# Altium PCB OctopusPB_r0102.PcbDoc (part 5 of 10)
Units mm, origin at the board's own origin, x right, y up, seen from the top; angles counter-clockwise.
Board outline 318 x 80 mm, 4 copper layers (Top Layer, Layer 1, Layer 2, Bottom Layer), stack 1.62 mm thick; 806 components, 346 nets, 2957 pads, 6733 vias.
Unrouted connection lines stored in the file: 1143.
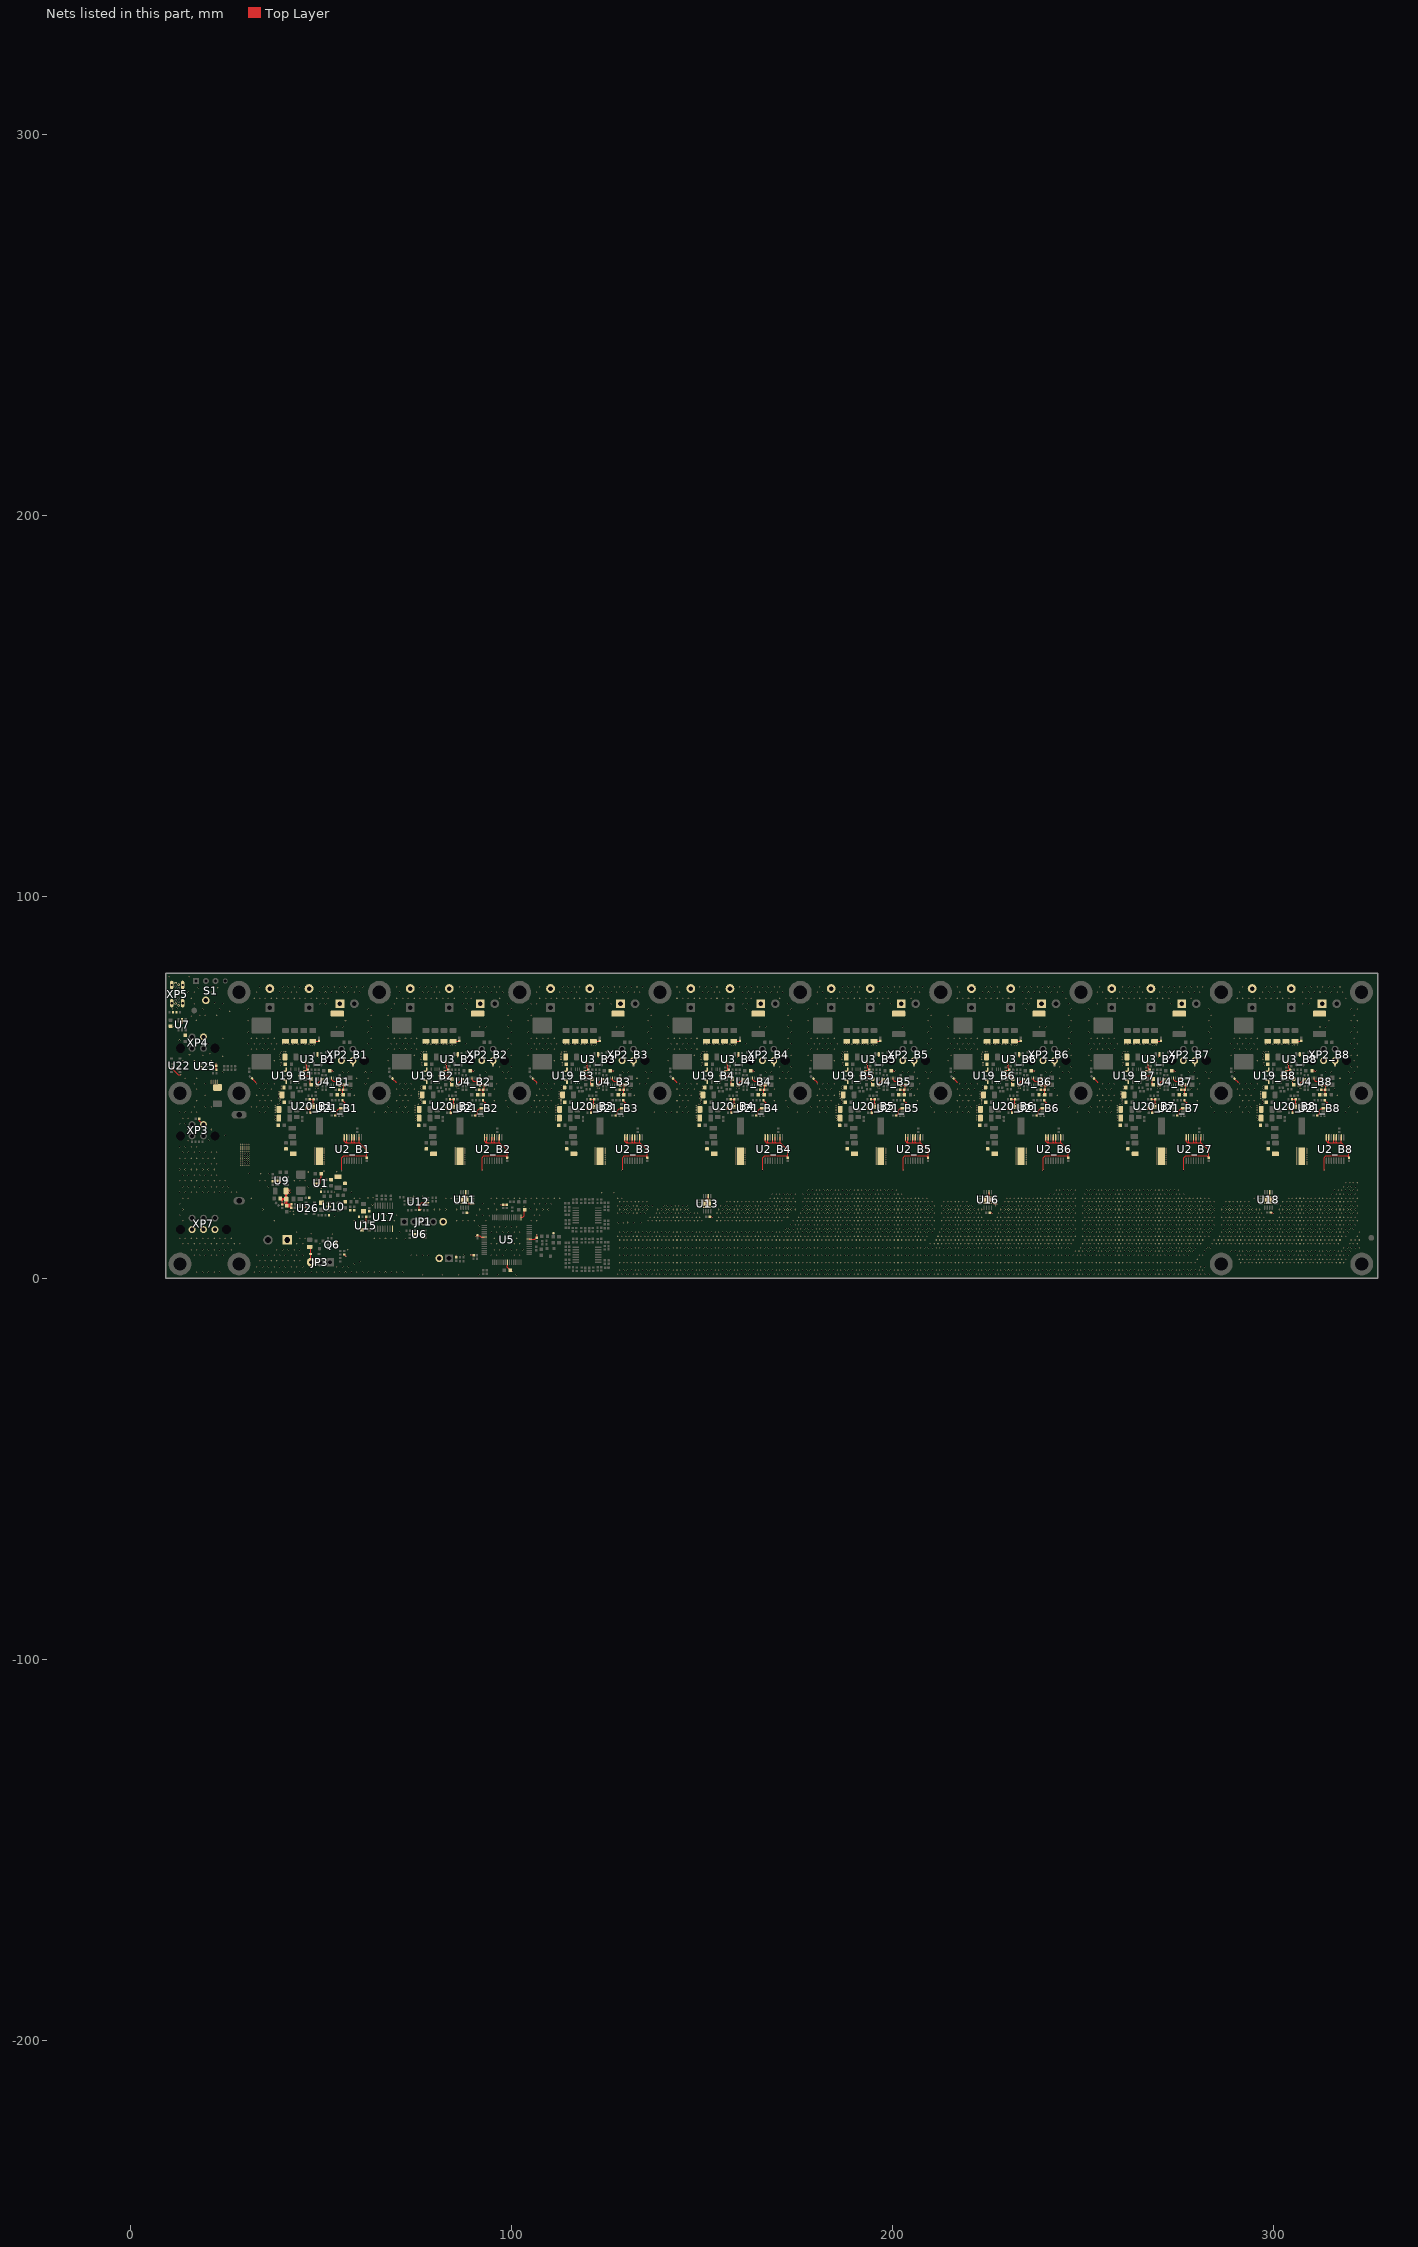
[diagram p7: the nets of this part, all layers, seen from the top]

## Via types
v1: diameter 0.4, hole 0.2, Top Layer to Bottom Layer, tented both sides, 6713 vias
v2: diameter 0.5, hole 0.2, Top Layer to Bottom Layer, tented both sides, 20 vias

## Nets (pads, with @x,y where several pads share a name; then routed paths per layer and width w, separated by ;. In a path a pad name is that pad's centre, name@x,y a point inside that pad or via, vN(x,y) a via of type N, cw(c..) or ccw(c..) an arc to the next point about the centre after c; other vN are vias at no path point) (continued)
DGND: C4.2 C4_B1.2 C4_B2.2 C4_B3.2 C4_B4.2 C4_B5.2 C4_B6.2 C4_B7.2 C4_B8.2 C5.2 C5_B1.2 C5_B2.2 C5_B3.2 C5_B4.2 C5_B5.2 C5_B6.2 C5_B7.2 C5_B8.2 C6.2 C6_B1.2 C6_B2.2 C6_B3.2 C6_B4.2 C6_B5.2 C6_B6.2 C6_B7.2 C6_B8.2 C7_B1.2 C7_B2.2 C7_B3.2 C7_B4.2 C7_B5.2 C7_B6.2 C7_B7.2 C7_B8.2 C8_B1.2 C8_B2.2 C8_B3.2 C8_B4.2 C8_B5.2 C8_B6.2 C8_B7.2 C8_B8.2 C9_B1.2 C9_B2.2 C9_B3.2 C9_B4.2 C9_B5.2 C9_B6.2 C9_B7.2 C9_B8.2 C10_B1.2 C10_B2.2 C10_B3.2 C10_B4.2 C10_B5.2 C10_B6.2 C10_B7.2 C10_B8.2 C11_B1.2 C11_B2.2 C11_B3.2 C11_B4.2 C11_B5.2 C11_B6.2 C11_B7.2 C11_B8.2 C12_B1.2 C12_B2.2 C12_B3.2 C12_B4.2 C12_B5.2 C12_B6.2 C12_B7.2 C12_B8.2 C13_B1.2 C13_B2.2 C13_B3.2 C13_B4.2 C13_B5.2 C13_B6.2 C13_B7.2 C13_B8.2 C14_B1.2 C14_B2.2 C14_B3.2 C14_B4.2 C14_B5.2 C14_B6.2 C14_B7.2 C14_B8.2 C15_B1.2 C15_B2.2 C15_B3.2 C15_B4.2 C15_B5.2 C15_B6.2 C15_B7.2 C15_B8.2 C16_B1.2 C16_B2.2 C16_B3.2 C16_B4.2 C16_B5.2 C16_B6.2 C16_B7.2 C16_B8.2 C17_B1.2 C17_B2.2 C17_B3.2 C17_B4.2 C17_B5.2 C17_B6.2 C17_B7.2 C17_B8.2 C18_B1.2 C18_B2.2 C18_B3.2 C18_B4.2 C18_B5.2 C18_B6.2 C18_B7.2 C18_B8.2 C19_B1.2 C19_B2.2 C19_B3.2 C19_B4.2 C19_B5.2 C19_B6.2 C19_B7.2 C19_B8.2 C20_B1.2 C20_B2.2 C20_B3.2 C20_B4.2 C20_B5.2 C20_B6.2 C20_B7.2 C20_B8.2 C21.2 C22_B1.2 C22_B2.2 C22_B3.2 C22_B4.2 C22_B5.2 C22_B6.2 C22_B7.2 C22_B8.2 C23.2 C26_B1.2 C26_B2.2 C26_B3.2 C26_B4.2 C26_B5.2 C26_B6.2 C26_B7.2 C26_B8.2 C27_B1.2 C27_B2.2 C27_B3.2 C27_B4.2 C27_B5.2 C27_B6.2 C27_B7.2 C27_B8.2 C28_B1.2 C28_B2.2 C28_B3.2 C28_B4.2 C28_B5.2 C28_B6.2 C28_B7.2 C28_B8.2 C29_B1.2 C29_B2.2 C29_B3.2 C29_B4.2 C29_B5.2 C29_B6.2 C29_B7.2 C29_B8.2 C30_B1.2 C30_B2.2 C30_B3.2 C30_B4.2 C30_B5.2 C30_B6.2 C30_B7.2 C30_B8.2 C31_B1.2 C31_B2.2 C31_B3.2 C31_B4.2 C31_B5.2 C31_B6.2 C31_B7.2 C31_B8.2 C32_B1.2 C32_B2.2 C32_B3.2 C32_B4.2 C32_B5.2 C32_B6.2 C32_B7.2 C32_B8.2 C33_B1.2 C33_B2.2 C33_B3.2 C33_B4.2 C33_B5.2 C33_B6.2 C33_B7.2 C33_B8.2 C34_B1.2 C34_B2.2 C34_B3.2 C34_B4.2 C34_B5.2 C34_B6.2 C34_B7.2 C34_B8.2 C35_B1.2 C35_B2.2 C35_B3.2 C35_B4.2 C35_B5.2 C35_B6.2 C35_B7.2 C35_B8.2 C36.2 C37.2 C38.2 C39.2 C40.2 C41.2 C42.2 C49.2 C50.2 C51.2 C52.2 C53.2 C54.2 C55.2 C56.2 C57.2 C59.2 C60.2 C61.2 C62.2 C63.2 C64.2 C65.2 C66.2 C68_B1.2 C68_B2.2 C68_B3.2 C68_B4.2 C68_B5.2 C68_B6.2 C68_B7.2 C68_B8.2 C69_B1.2 C69_B2.2 C69_B3.2 C69_B4.2 C69_B5.2 C69_B6.2 C69_B7.2 C69_B8.2 C72_B1.2 C72_B2.2 C72_B3.2 C72_B4.2 C72_B5.2 C72_B6.2 C72_B7.2 C72_B8.2 C73.2 C74_B1.1 C74_B2.1 C74_B3.1 C74_B4.1 C74_B5.1 C74_B6.1 C74_B7.1 C74_B8.1 C75.2 C76.2 C77_B1.2 C77_B2.2 C77_B3.2 C77_B4.2 C77_B5.2 C77_B6.2 C77_B7.2 C77_B8.2 C83.2 D4.2 D5.2 JP1.5 JP2.2 JP3.3 Q6.2 R2.1 R4_B1.2 R4_B2.2 R4_B3.2 R4_B4.2 R4_B5.2 R4_B6.2 R4_B7.2 R4_B8.2 R9_B1.1 R9_B2.1 R9_B3.1 R9_B4.1 R9_B5.1 R9_B6.1 R9_B7.1 R9_B8.1 R11_B1.1 R11_B2.1 R11_B3.1 R11_B4.1 R11_B5.1 R11_B6.1 R11_B7.1 R11_B8.1 R17.1 R26_B1.2 R26_B2.2 R26_B3.2 R26_B4.2 R26_B5.2 R26_B6.2 R26_B7.2 R26_B8.2 R33.2 R37.1 R39.1 R40.1 R45.1 R54.1 R58_B1.2 R58_B2.2 R58_B3.2 R58_B4.2 R58_B5.2 R58_B6.2 R58_B7.2 R58_B8.2 R64.1 R66_B1.1 R66_B2.1 R66_B3.1 R66_B4.1 R66_B5.1 R66_B6.1 R66_B7.1 R66_B8.1 R67_B1.1 R67_B2.1 R67_B3.1 R67_B4.1 R67_B5.1 R67_B6.1 R67_B7.1 R67_B8.1 R68.1 R69.1 R73.2 R74_B1.2 R74_B2.2 R74_B3.2 R74_B4.2 R74_B5.2 R74_B6.2 R74_B7.2 R74_B8.2 R86.1 S1.C U1.2 U2_B1.2 U2_B1.4 U2_B1.5 U2_B1.7 U2_B1.8 U2_B2.2 U2_B2.4 U2_B2.5 U2_B2.7 U2_B2.8 U2_B3.2 U2_B3.4 U2_B3.5 U2_B3.7 U2_B3.8 U2_B4.2 U2_B4.4 U2_B4.5 U2_B4.7 U2_B4.8 U2_B5.2 U2_B5.4 U2_B5.5 U2_B5.7 U2_B5.8 U2_B6.2 U2_B6.4 U2_B6.5 U2_B6.7 U2_B6.8 U2_B7.2 U2_B7.4 U2_B7.5 U2_B7.7 U2_B7.8 U2_B8.2 U2_B8.4 U2_B8.5 U2_B8.7 U2_B8.8 U3_B1.2 U3_B2.2 U3_B3.2 U3_B4.2 U3_B5.2 U3_B6.2 U3_B7.2 U3_B8.2 U4_B1.3 U4_B2.3 U4_B3.3 U4_B4.3 U4_B5.3 U4_B6.3 U4_B7.3 U4_B8.3 U5.9 U5.25 U5.33 U5.55 U6.2 U7.2 U9.2 U10.2 U11.1 U11.6 U11.17 U12.6 U13.6 U13.17 U15.2 U16.1 U16.6 U16.17 U17.8 U18.6 U18.17 U19_B1.3 U19_B1.9 U19_B1.11 U19_B2.3 U19_B2.9 U19_B2.11 U19_B3.3 U19_B3.9 U19_B3.11 U19_B4.3 U19_B4.9 U19_B4.11 U19_B5.3 U19_B5.9 U19_B5.11 U19_B6.3 U19_B6.9 U19_B6.11 U19_B7.3 U19_B7.9 U19_B7.11 U19_B8.3 U19_B8.9 U19_B8.11 U20_B1.3 U20_B1.4 U20_B1.9 U20_B2.3 U20_B2.4 U20_B2.9 U20_B3.3 U20_B3.4 U20_B3.9 U20_B4.3 U20_B4.4 U20_B4.9 U20_B5.3 U20_B5.4 U20_B5.9 U20_B6.3 U20_B6.4 U20_B6.9 U20_B7.3 U20_B7.4 U20_B7.9 U20_B8.3 U20_B8.4 U20_B8.9 U21_B1.2 U21_B2.2 U21_B3.2 U21_B4.2 U21_B5.2 U21_B6.2 U21_B7.2 U21_B8.2 U22.C1 U25.5 U25.6 U26.C1 X1_B1.1 X1_B2.1 X1_B3.1 X1_B4.1 X1_B5.1 X1_B6.1 X1_B7.1 X1_B8.1 X3.2 XP1_B1.1 XP1_B2.1 XP1_B3.1 XP1_B4.1 XP1_B5.1 XP1_B6.1 XP1_B7.1 XP1_B8.1 XP2_B1.3 XP2_B1.4 XP2_B2.3 XP2_B2.4 XP2_B3.3 XP2_B3.4 XP2_B4.3 XP2_B4.4 XP2_B5.3 XP2_B5.4 XP2_B6.3 XP2_B6.4 XP2_B7.3 XP2_B7.4 XP2_B8.3 XP2_B8.4 XP3.2 XP4.2 XP5.A1 XP5.A12 XP5.B1 XP5.B12 XP5.S1 XP5.S2 XP5.S3 XP5.S4 XP6.1 XP7.4 XP7.5 XP7.6 | length 570.2
  Top Layer w0.2: R40.1@11.1,55.295 11.2,55.195 11.2,54.627 12.527,53.3 v1(13.2,53.3) ; v1(12.425,54.675) 12.463,54.713 12.463,54.788 12.475,54.8 U22.C1@12.475,55.275 ; U19_B1.3@44.45,53.075 U19_B1.3@44.5,53.025 ; R66_B1.1@45.575,54.32 45.755,54.5 46.37,54.5 R67_B1.1@46.525,54.655 46.485,54.655 46.3,54.84 46.3,55.094 46.2,55.194 46.2,55.875 v1(46.075,56) 46.037,56.038 46.037,56.618 R4_B1.2@45.905,56.75 ; v1@45.801,18.749 45.925,18.625 U26.C1@46.075,18.625 ; U20_B1.4@46.245,44.325 U20_B1.4@46.245,44.35 ; U20_B1.3@46.245,44.825 U20_B1.4@46.245,44.35 ; R74_B1.2@47.2,43.33 R74_B1.2@47.3,43.23 ; R74_B1.2@47.205,43.325 U20_B1.9@47.205,44.53 ; R74_B1.2@47.26,43.13 R74_B1.2@47.3,43.13 ; v1(47.3,44.625) U20_B1.9@47.205,44.53 ; C26_B1.2@48.775,50.691 49.934,51.85 49.985,51.85 50.31,52.175 R26_B1.2@50.35,52.175 ; C26_B1.2@48.975,50.675 C26_B1.2@48.975,50.691 ; U4_B1.3@52.804,52.47 52.829,52.445 52.829,51.996 53.175,51.65 53.744,51.65 ; C22_B1.2@53.69,42.65 53.71,42.65 53.92,42.86 53.92,42.88 54.15,43.11 v1(54.15,43.35) 54.15,43.925 54.639,44.414 55.164,44.414 U21_B1.2@55.35,44.6 55.4,44.55 55.933,44.55 56.25,44.867 56.25,45.99 55.655,46.585 R11_B1.1@55.655,46.625 ; C33_B1.2@54.875,52.385 54.875,52.365 54.53,52.02 54.404,52.02 54.034,51.65 53.744,51.65 ; C32_B1.2@54.9,50.51 54.9,50.53 54.69,50.74 54.522,50.74 54.229,51.033 54.229,51.164 53.744,51.65 ; U2_B1.8@56.075,36.9 56.104,36.871 56.104,35.871 56.425,35.55 56.8,35.55 ; U2_B1.7@56.725,36.9 56.725,35.625 56.8,35.55 ; U2_B1.5@58.025,36.9 58.025,35.575 58.05,35.55 ; U2_B1.4@58.675,36.9 58.675,35.675 58.8,35.55 ; U2_B1.2@59.975,36.9 59.975,35.55 ; C20_B1.2@62,31.615 62,31.635 62,33.525 59.975,35.55 ; U19_B2.3@81.275,53.075 U19_B2.3@81.325,53.025 ; R66_B2.1@82.4,54.32 82.58,54.5 83.195,54.5 R67_B2.1@83.35,54.655 83.31,54.655 83.125,54.84 83.125,55.094 83.025,55.194 83.025,55.875 v1(82.9,56) 82.862,56.038 82.862,56.618 R4_B2.2@82.73,56.75 ; U20_B2.4@83.07,44.325 U20_B2.4@83.07,44.35 ; U20_B2.3@83.07,44.825 U20_B2.4@83.07,44.35 ; R74_B2.2@84.025,43.33 R74_B2.2@84.125,43.23 ; R74_B2.2@84.03,43.325 U20_B2.9@84.03,44.53 ; R74_B2.2@84.085,43.13 R74_B2.2@84.125,43.13 ; v1(84.125,44.625) U20_B2.9@84.03,44.53 ; C26_B2.2@85.6,50.691 86.759,51.85 86.81,51.85 87.135,52.175 R26_B2.2@87.175,52.175 ; C26_B2.2@85.8,50.675 C26_B2.2@85.8,50.691 ; U4_B2.3@89.629,52.47 89.654,52.445 89.654,51.996 90,51.65 90.569,51.65 ; C22_B2.2@90.515,42.65 90.535,42.65 90.745,42.86 90.745,42.88 90.975,43.11 v1(90.975,43.35) 90.975,43.925 91.464,44.414 91.989,44.414 U21_B2.2@92.175,44.6 92.225,44.55 92.758,44.55 93.075,44.867 93.075,45.99 92.48,46.585 R11_B2.1@92.48,46.625 ; C33_B2.2@91.7,52.385 91.7,52.365 91.355,52.02 91.229,52.02 90.859,51.65 90.569,51.65 ; C32_B2.2@91.725,50.51 91.725,50.53 91.515,50.74 91.347,50.74 91.054,51.033 91.054,51.164 90.569,51.65 ; U2_B2.8@92.9,36.9 92.929,36.871 92.929,35.871 93.25,35.55 93.625,35.55 ; U2_B2.7@93.55,36.9 93.55,35.625 93.625,35.55 ; U2_B2.5@94.85,36.9 94.85,35.575 94.875,35.55 ; U2_B2.4@95.5,36.9 95.5,35.675 95.625,35.55 ; U2_B2.2@96.8,36.9 96.8,35.55 ; C20_B2.2@98.825,31.615 98.825,31.635 98.825,33.525 96.8,35.55 ; U5.9@98.991,4.109 98.972,4.09 98.972,3.354 98.891,3.273 98.891,2.784 99.65,2.025 C41.2@99.65,2 ; U5.33@102.466,15.909 102.475,15.9 102.875,15.9 103.29,16.315 103.29,17.44 C40.2@103.55,17.7 ; U5.25@104.616,10.259 104.635,10.24 105.603,10.24 105.618,10.225 106.032,10.225 106.167,10.36 106.39,10.36 106.5,10.47 C42.2@106.5,10.515 ; U19_B3.3@118.1,53.075 U19_B3.3@118.15,53.025 ; R66_B3.1@119.225,54.32 119.405,54.5 120.02,54.5 R67_B3.1@120.175,54.655 120.135,54.655 119.95,54.84 119.95,55.094 119.85,55.194 119.85,55.875 v1(119.725,56) 119.687,56.038 119.687,56.618 R4_B3.2@119.555,56.75 ; U20_B3.4@119.895,44.325 U20_B3.4@119.895,44.35 ; U20_B3.3@119.895,44.825 U20_B3.4@119.895,44.35 ; R74_B3.2@120.85,43.33 R74_B3.2@120.95,43.23 ; R74_B3.2@120.855,43.325 U20_B3.9@120.855,44.53 ; R74_B3.2@120.91,43.13 R74_B3.2@120.95,43.13 ; v1(120.95,44.625) U20_B3.9@120.855,44.53 ; C26_B3.2@122.425,50.691 123.584,51.85 123.635,51.85 123.96,52.175 R26_B3.2@124,52.175 ; C26_B3.2@122.625,50.675 C26_B3.2@122.625,50.691 ; U4_B3.3@126.454,52.47 126.479,52.445 126.479,51.996 126.825,51.65 127.394,51.65 ; C22_B3.2@127.34,42.65 127.36,42.65 127.57,42.86 127.57,42.88 127.8,43.11 v1(127.8,43.35) 127.8,43.925 128.289,44.414 128.814,44.414 U21_B3.2@129,44.6 129.05,44.55 129.583,44.55 129.9,44.867 129.9,45.99 129.305,46.585 R11_B3.1@129.305,46.625 ; C33_B3.2@128.525,52.385 128.525,52.365 128.18,52.02 128.054,52.02 127.684,51.65 127.394,51.65 ; C32_B3.2@128.55,50.51 128.55,50.53 128.34,50.74 128.172,50.74 127.879,51.033 127.879,51.164 127.394,51.65 ; U2_B3.8@129.725,36.9 129.754,36.871 129.754,35.871 130.075,35.55 130.45,35.55 ; U2_B3.7@130.375,36.9 130.375,35.625 130.45,35.55 ; U2_B3.5@131.675,36.9 131.675,35.575 131.7,35.55 ; U2_B3.4@132.325,36.9 132.325,35.675 132.45,35.55 ; U2_B3.2@133.625,36.9 133.625,35.55 ; C20_B3.2@135.65,31.615 135.65,31.635 135.65,33.525 133.625,35.55 ; U19_B4.3@154.925,53.075 U19_B4.3@154.975,53.025 ; R66_B4.1@156.05,54.32 156.23,54.5 156.845,54.5 R67_B4.1@157,54.655 156.96,54.655 156.775,54.84 156.775,55.094 156.675,55.194 156.675,55.875 v1(156.55,56) 156.512,56.038 156.512,56.618 R4_B4.2@156.38,56.75 ; U20_B4.4@156.72,44.325 U20_B4.4@156.72,44.35 ; U20_B4.3@156.72,44.825 U20_B4.4@156.72,44.35 ; R74_B4.2@157.675,43.33 R74_B4.2@157.775,43.23 ; R74_B4.2@157.68,43.325 U20_B4.9@157.68,44.53 ; R74_B4.2@157.735,43.13 R74_B4.2@157.775,43.13 ; v1(157.775,44.625) U20_B4.9@157.68,44.53 ; C26_B4.2@159.25,50.691 160.409,51.85 160.46,51.85 160.785,52.175 R26_B4.2@160.825,52.175 ; C26_B4.2@159.45,50.675 C26_B4.2@159.45,50.691 ; U4_B4.3@163.279,52.47 163.304,52.445 163.304,51.996 163.65,51.65 164.219,51.65 ; C22_B4.2@164.165,42.65 164.185,42.65 164.395,42.86 164.395,42.88 164.625,43.11 v1(164.625,43.35) 164.625,43.925 165.114,44.414 165.639,44.414 U21_B4.2@165.825,44.6 165.875,44.55 166.408,44.55 166.725,44.867 166.725,45.99 166.13,46.585 R11_B4.1@166.13,46.625 ; C33_B4.2@165.35,52.385 165.35,52.365 165.005,52.02 164.879,52.02 164.509,51.65 164.219,51.65 ; C32_B4.2@165.375,50.51 165.375,50.53 165.165,50.74 164.997,50.74 164.704,51.033 164.704,51.164 164.219,51.65 ; U2_B4.8@166.55,36.9 166.579,36.871 166.579,35.871 166.9,35.55 167.275,35.55 ; U2_B4.7@167.2,36.9 167.2,35.625 167.275,35.55 ; U2_B4.5@168.5,36.9 168.5,35.575 168.525,35.55 ; U2_B4.4@169.15,36.9 169.15,35.675 169.275,35.55 ; U2_B4.2@170.45,36.9 170.45,35.55 ; C20_B4.2@172.475,31.615 172.475,31.635 172.475,33.525 170.45,35.55 ; U19_B5.3@191.75,53.075 U19_B5.3@191.8,53.025 ; R66_B5.1@192.875,54.32 193.055,54.5 193.67,54.5 R67_B5.1@193.825,54.655 193.785,54.655 193.6,54.84 193.6,55.094 193.5,55.194 193.5,55.875 v1(193.375,56) 193.337,56.038 193.337,56.618 R4_B5.2@193.205,56.75 ; U20_B5.4@193.545,44.325 U20_B5.4@193.545,44.35 ; U20_B5.3@193.545,44.825 U20_B5.4@193.545,44.35 ; R74_B5.2@194.5,43.33 R74_B5.2@194.6,43.23 ; R74_B5.2@194.505,43.325 U20_B5.9@194.505,44.53 ; R74_B5.2@194.56,43.13 R74_B5.2@194.6,43.13 ; v1(194.6,44.625) U20_B5.9@194.505,44.53 ; C26_B5.2@196.075,50.691 197.234,51.85 197.285,51.85 197.61,52.175 R26_B5.2@197.65,52.175 ; C26_B5.2@196.275,50.675 C26_B5.2@196.275,50.691 ; U4_B5.3@200.104,52.47 200.129,52.445 200.129,51.996 200.475,51.65 201.044,51.65 ; C22_B5.2@200.99,42.65 201.01,42.65 201.22,42.86 201.22,42.88 201.45,43.11 v1(201.45,43.35) 201.45,43.925 201.939,44.414 202.464,44.414 U21_B5.2@202.65,44.6 202.7,44.55 203.233,44.55 203.55,44.867 203.55,45.99 202.955,46.585 R11_B5.1@202.955,46.625 ; C33_B5.2@202.175,52.385 202.175,52.365 201.83,52.02 201.704,52.02 201.334,51.65 201.044,51.65 ; C32_B5.2@202.2,50.51 202.2,50.53 201.99,50.74 201.822,50.74 201.529,51.033 201.529,51.164 201.044,51.65 ; U2_B5.8@203.375,36.9 203.404,36.871 203.404,35.871 203.725,35.55 204.1,35.55 ; U2_B5.7@204.025,36.9 204.025,35.625 204.1,35.55 ; U2_B5.5@205.325,36.9 205.325,35.575 205.35,35.55 ; U2_B5.4@205.975,36.9 205.975,35.675 206.1,35.55 ; U2_B5.2@207.275,36.9 207.275,35.55 ; C20_B5.2@209.3,31.615 209.3,31.635 209.3,33.525 207.275,35.55 ; U19_B6.3@228.575,53.075 U19_B6.3@228.625,53.025 ; R66_B6.1@229.7,54.32 229.88,54.5 230.495,54.5 R67_B6.1@230.65,54.655 230.61,54.655 230.425,54.84 230.425,55.094 230.325,55.194 230.325,55.875 v1(230.2,56) 230.162,56.038 230.162,56.618 R4_B6.2@230.03,56.75 ; U20_B6.4@230.37,44.325 U20_B6.4@230.37,44.35 ; U20_B6.3@230.37,44.825 U20_B6.4@230.37,44.35 ; R74_B6.2@231.325,43.33 R74_B6.2@231.425,43.23 ; R74_B6.2@231.33,43.325 U20_B6.9@231.33,44.53 ; R74_B6.2@231.385,43.13 R74_B6.2@231.425,43.13 ; v1(231.425,44.625) U20_B6.9@231.33,44.53 ; C26_B6.2@232.9,50.691 234.059,51.85 234.11,51.85 234.435,52.175 R26_B6.2@234.475,52.175 ; C26_B6.2@233.1,50.675 C26_B6.2@233.1,50.691 ; U4_B6.3@236.929,52.47 236.954,52.445 236.954,51.996 237.3,51.65 237.869,51.65 ; C22_B6.2@237.815,42.65 237.835,42.65 238.045,42.86 238.045,42.88 238.275,43.11 v1(238.275,43.35) 238.275,43.925 238.764,44.414 239.289,44.414 U21_B6.2@239.475,44.6 239.525,44.55 240.058,44.55 240.375,44.867 240.375,45.99 239.78,46.585 R11_B6.1@239.78,46.625 ; C33_B6.2@239,52.385 239,52.365 238.655,52.02 238.529,52.02 238.159,51.65 237.869,51.65 ; C32_B6.2@239.025,50.51 239.025,50.53 238.815,50.74 238.647,50.74 238.354,51.033 238.354,51.164 237.869,51.65 ; U2_B6.8@240.2,36.9 240.229,36.871 240.229,35.871 240.55,35.55 240.925,35.55 ; U2_B6.7@240.85,36.9 240.85,35.625 240.925,35.55 ; U2_B6.5@242.15,36.9 242.15,35.575 242.175,35.55 ; U2_B6.4@242.8,36.9 242.8,35.675 242.925,35.55 ; U2_B6.2@244.1,36.9 244.1,35.55 ; C20_B6.2@246.125,31.615 246.125,31.635 246.125,33.525 244.1,35.55 ; U19_B7.3@265.4,53.075 U19_B7.3@265.45,53.025 ; R66_B7.1@266.525,54.32 266.705,54.5 267.32,54.5 R67_B7.1@267.475,54.655 267.435,54.655 267.25,54.84 267.25,55.094 267.15,55.194 267.15,55.875 v1(267.025,56) 266.987,56.038 266.987,56.618 R4_B7.2@266.855,56.75 ; U20_B7.4@267.195,44.325 U20_B7.4@267.195,44.35 ; U20_B7.3@267.195,44.825 U20_B7.4@267.195,44.35 ; R74_B7.2@268.15,43.33 R74_B7.2@268.25,43.23 ; R74_B7.2@268.155,43.325 U20_B7.9@268.155,44.53 ; R74_B7.2@268.21,43.13 R74_B7.2@268.25,43.13 ; v1(268.25,44.625) U20_B7.9@268.155,44.53 ; C26_B7.2@269.725,50.691 270.884,51.85 270.935,51.85 271.26,52.175 R26_B7.2@271.3,52.175 ; C26_B7.2@269.925,50.675 C26_B7.2@269.925,50.691 ; U4_B7.3@273.754,52.47 273.779,52.445 273.779,51.996 274.125,51.65 274.694,51.65 ; C22_B7.2@274.64,42.65 274.66,42.65 274.87,42.86 274.87,42.88 275.1,43.11 v1(275.1,43.35) 275.1,43.925 275.589,44.414 276.114,44.414 U21_B7.2@276.3,44.6 276.35,44.55 276.883,44.55 277.2,44.867 277.2,45.99 276.605,46.585 R11_B7.1@276.605,46.625 ; C33_B7.2@275.825,52.385 275.825,52.365 275.48,52.02 275.354,52.02 274.984,51.65 274.694,51.65 ; C32_B7.2@275.85,50.51 275.85,50.53 275.64,50.74 275.472,50.74 275.179,51.033 275.179,51.164 274.694,51.65 ; U2_B7.8@277.025,36.9 277.054,36.871 277.054,35.871 277.375,35.55 277.75,35.55 ; U2_B7.7@277.675,36.9 277.675,35.625 277.75,35.55 ; U2_B7.5@278.975,36.9 278.975,35.575 279,35.55 ; U2_B7.4@279.625,36.9 279.625,35.675 279.75,35.55 ; U2_B7.2@280.925,36.9 280.925,35.55 ; C20_B7.2@282.95,31.615 282.95,31.635 282.95,33.525 280.925,35.55 ; U19_B8.3@302.225,53.075 U19_B8.3@302.275,53.025 ; R66_B8.1@303.35,54.32 303.53,54.5 304.145,54.5 R67_B8.1@304.3,54.655 304.26,54.655 304.075,54.84 304.075,55.094 303.975,55.194 303.975,55.875 v1(303.85,56) 303.812,56.038 303.812,56.618 R4_B8.2@303.68,56.75 ; U20_B8.4@304.02,44.325 U20_B8.4@304.02,44.35 ; U20_B8.3@304.02,44.825 U20_B8.4@304.02,44.35 ; R74_B8.2@304.975,43.33 R74_B8.2@305.075,43.23 ; R74_B8.2@304.98,43.325 U20_B8.9@304.98,44.53 ; R74_B8.2@305.035,43.13 R74_B8.2@305.075,43.13 ; v1(305.075,44.625) U20_B8.9@304.98,44.53 ; C26_B8.2@306.55,50.691 307.709,51.85 307.76,51.85 308.085,52.175 R26_B8.2@308.125,52.175 ; C26_B8.2@306.75,50.675 C26_B8.2@306.75,50.691 ; U4_B8.3@310.579,52.47 310.604,52.445 310.604,51.996 310.95,51.65 311.519,51.65 ; C22_B8.2@311.465,42.65 311.485,42.65 311.695,42.86 311.695,42.88 311.925,43.11 v1(311.925,43.35) 311.925,43.925 312.414,44.414 312.939,44.414 U21_B8.2@313.125,44.6 313.175,44.55 313.708,44.55 314.025,44.867 314.025,45.99 313.43,46.585 R11_B8.1@313.43,46.625 ; C33_B8.2@312.65,52.385 312.65,52.365 312.305,52.02 312.179,52.02 311.809,51.65 311.519,51.65 ; C32_B8.2@312.675,50.51 312.675,50.53 312.465,50.74 312.297,50.74 312.004,51.033 312.004,51.164 311.519,51.65 ; U2_B8.8@313.85,36.9 313.879,36.871 313.879,35.871 314.2,35.55 314.575,35.55 ; U2_B8.7@314.5,36.9 314.5,35.625 314.575,35.55 ; U2_B8.5@315.8,36.9 315.8,35.575 315.825,35.55 ; U2_B8.4@316.45,36.9 316.45,35.675 316.575,35.55 ; U2_B8.2@317.75,36.9 317.75,35.55 ; C20_B8.2@319.775,31.615 319.775,31.635 319.775,33.525 317.75,35.55 ; U20_B1.4@46.245,44.35 46.975,44.35 47.1,44.475 47.15,44.475 U20_B1.9@47.205,44.53 ; 56.8,35.55 58.05,35.55 ; 58.05,35.55 58.8,35.55 ; 58.8,35.55 59.45,35.55 59.975,35.55 ; U20_B2.4@83.07,44.35 83.8,44.35 83.925,44.475 83.975,44.475 U20_B2.9@84.03,44.53 ; 93.625,35.55 94.875,35.55 ; 94.875,35.55 95.625,35.55 ; 95.625,35.55 96.275,35.55 96.8,35.55 ; U20_B3.4@119.895,44.35 120.625,44.35 120.75,44.475 120.8,44.475 U20_B3.9@120.855,44.53 ; 130.45,35.55 131.7,35.55 ; 131.7,35.55 132.45,35.55 ; 132.45,35.55 133.1,35.55 133.625,35.55 ; U20_B4.4@156.72,44.35 157.45,44.35 157.575,44.475 157.625,44.475 U20_B4.9@157.68,44.53 ; 167.275,35.55 168.525,35.55 ; 168.525,35.55 169.275,35.55 ; 169.275,35.55 169.925,35.55 170.45,35.55 ; U20_B5.4@193.545,44.35 194.275,44.35 194.4,44.475 194.45,44.475 U20_B5.9@194.505,44.53 ; 204.1,35.55 205.35,35.55 ; 205.35,35.55 206.1,35.55 ; 206.1,35.55 206.75,35.55 207.275,35.55 ; U20_B6.4@230.37,44.35 231.1,44.35 231.225,44.475 231.275,44.475 U20_B6.9@231.33,44.53 ; 240.925,35.55 242.175,35.55 ; 242.175,35.55 242.925,35.55 ; 242.925,35.55 243.575,35.55 244.1,35.55 ; U20_B7.4@267.195,44.35 267.925,44.35 268.05,44.475 268.1,44.475 U20_B7.9@268.155,44.53 ; 277.75,35.55 279,35.55 ; 279,35.55 279.75,35.55 ; 279.75,35.55 280.4,35.55 280.925,35.55 ; U20_B8.4@304.02,44.35 304.75,44.35 304.875,44.475 304.925,44.475 U20_B8.9@304.98,44.53 ; 314.575,35.55 315.825,35.55 ; 315.825,35.55 316.575,35.55 ; 316.575,35.55 317.225,35.55 317.75,35.55
  Top Layer w0.3: v1(13.5,66.9) 13.513,66.913 13.513,67.637 U7.2@13.525,67.65 ; C23.2@18.015,41.825 17.975,41.785 17.975,41.3 18.99,40.285 XP3.2@19.15,40.285 ; U25.5@18.2,55.55 v1(18.2,54.925) 18.7,54.925 U25.6@18.7,54.9 ; v1(22.5,56.425) 22.515,56.41 C83.2@22.515,55.675 22.515,54.715 R17.1@22.53,54.7 ; C4_B1.2@31.911,52.314 32.9,51.325 32.9,51.225 ; R45.1@37.3,25.385 37.345,25.43 38.48,25.43 U9.2@38.525,25.475 38.692,25.308 39.392,25.308 v1(39.425,25.275) ; U19_B1.3@44.45,53.075 46.625,53.075 C72_B1.2@47.45,52.25 ; C73.2@47.025,8.15 47.25,7.925 D5.2@47.25,6.35 47.28,6.32 47.28,4.855 47.28,4.18 JP3.3@47.31,4.15 ; R58_B1.2@47.03,46.9 47.043,46.888 C74_B1.1@47.975,46.888 ; C77_B1.2@47.175,50.75 C72_B1.2@47.175,52.225 ; C18_B1.2@47.825,62.125 47.867,62.168 49.433,62.168 C14_B1.2@49.475,62.21 ; U20_B1.9@47.975,45.35 C74_B1.1@47.975,46.888 ; C74_B1.1@48.03,46.875 48.017,46.888 C74_B1.1@47.975,46.888 ; U1.2@48.675,24.825 48.725,24.775 49.525,24.775 49.75,25 49.75,26.225 50,26.475 50,27.325 C21.2@50.075,27.4 ; v1(49.075,57.9) U3_B1.2@49.075,58.725 ; C12_B1.2@52.3,54.4 52.35,54.45 v1(53.225,54.45) ; C34_B1.2@54.3,48.125 C34_B1.2@54.33,48.155 ; C35_B1.2@54.74,49.4 C28_B1.2@55.785,49.4 C28_B1.2@55.755,49.37 ; C32_B1.2@54.9,50.51 55.033,50.642 C31_B1.2@55.993,50.642 ; v1(55.475,28.2) 55.475,31.617 55.933,32.075 61.56,32.075 C20_B1.2@62,31.635 ; C27_B1.2@55.755,48.18 C28_B1.2@55.755,49.37 ; R73.2@56.075,6.17 56.115,6.17 56.51,5.775 v1(56.675,5.775) ; C31_B1.2@56.125,50.642 C31_B1.2@56.125,50.775 C31_B1.2@55.993,50.642 ; U15.2@60.775,12.65 60.825,12.65 61.825,13.65 61.825,16.09 C62.2@61.86,16.125 ; C4_B2.2@68.736,52.314 69.725,51.325 69.725,51.225 ; U6.2@74.625,11.525 74.65,11.5 v1(75.375,11.5) ; v1(76.35,18.075) 76.35,18.051 76.174,17.875 75.765,17.875 C63.2@75.749,17.859 75.749,19.074 76.425,19.75 U12.6@77.75,19.75 ; U19_B2.3@81.275,53.075 83.45,53.075 C72_B2.2@84.275,52.25 ; R58_B2.2@83.855,46.9 83.868,46.888 C74_B2.1@84.8,46.888 ; C77_B2.2@84,50.75 C72_B2.2@84,52.225 ; C18_B2.2@84.65,62.125 84.692,62.168 86.258,62.168 C14_B2.2@86.3,62.21 ; U20_B2.9@84.8,45.35 C74_B2.1@84.8,46.888 ; C74_B2.1@84.855,46.875 84.843,46.888 C74_B2.1@84.8,46.888 ; C38.2@85.47,5.405 85.47,6.02 v1(85.475,6.025) ; v1(85.9,57.9) U3_B2.2@85.9,58.725 ; U11.17@88,20.825 U11.6@88,22.5 ; C57.2@88.24,17.125 v1(88.825,17.125) ; U11.17@88.64,19.535 U11.1@89.665,19.535 ; C12_B2.2@89.125,54.4 89.175,54.45 v1(90.05,54.45) ; v1(89.35,6.05) 89.96,6.05 C37.2@90.035,5.975 ; v1(90.579,11.151) 90.604,11.125 90.89,11.125 C39.2@91.05,11.285 ; C39.2@91.05,11.29 C39.2@91.05,11.285 ; C34_B2.2@91.125,48.125 C34_B2.2@91.155,48.155 ; C35_B2.2@91.565,49.4 C28_B2.2@92.61,49.4 C28_B2.2@92.58,49.37 ; C32_B2.2@91.725,50.51 91.858,50.642 C31_B2.2@92.818,50.642 ; v1(92.275,28.225) v1@92.3,28.25 ; v1@92.3,28.2 92.3,31.617 92.758,32.075 98.385,32.075 C20_B2.2@98.825,31.635 ; C27_B2.2@92.58,48.18 C28_B2.2@92.58,49.37 ; U5.55@92.816,10.759 92.009,10.759 91.658,11.11 91.21,11.11 91.05,11.27 C39.2@91.05,11.285 ; C31_B2.2@92.95,50.642 C31_B2.2@92.95,50.775 C31_B2.2@92.818,50.642 ; v1(97.15,19.2) 97.925,19.2 97.975,19.25 R69.1@98.75,19.25 ; C41.2@99.65,2 99.725,1.925 99.825,2.025 99.925,1.925 v1(100.205,1.925) ; C4_B3.2@105.561,52.314 106.55,51.325 106.55,51.225 ; C42.2@106.6,10.59 106.76,10.75 106.76,11.169 106.655,11.273 v1(106.655,11.301) ; U19_B3.3@118.1,53.075 120.275,53.075 C72_B3.2@121.1,52.25 ; R58_B3.2@120.68,46.9 120.693,46.888 C74_B3.1@121.625,46.888 ; C77_B3.2@120.825,50.75 C72_B3.2@120.825,52.225 ; C18_B3.2@121.475,62.125 121.518,62.168 123.083,62.168 C14_B3.2@123.125,62.21 ; U20_B3.9@121.625,45.35 C74_B3.1@121.625,46.888 ; C74_B3.1@121.68,46.875 121.668,46.888 C74_B3.1@121.625,46.888 ; v1(122.725,57.9) U3_B3.2@122.725,58.725 ; C12_B3.2@125.95,54.4 126,54.45 v1(126.875,54.45) ; C34_B3.2@127.95,48.125 C34_B3.2@127.98,48.155 ; C35_B3.2@128.39,49.4 C28_B3.2@129.435,49.4 C28_B3.2@129.405,49.37 ; C32_B3.2@128.55,50.51 128.683,50.642 C31_B3.2@129.643,50.642 ; v1@129.125,28.2 129.125,31.617 129.583,32.075 135.21,32.075 C20_B3.2@135.65,31.635 ; C27_B3.2@129.405,48.18 C28_B3.2@129.405,49.37 ; C31_B3.2@129.775,50.642 C31_B3.2@129.775,50.775 C31_B3.2@129.643,50.642 ; C4_B4.2@142.386,52.314 143.375,51.325 143.375,51.225 ; v2(151.325,19.5) 151.65,19.825 U13.6@151.65,21.5 ; C59.2@152.005,16.1 152.03,16.125 v1(152.7,16.125) ; U19_B4.3@154.925,53.075 157.1,53.075 C72_B4.2@157.925,52.25 ; R58_B4.2@157.505,46.9 157.518,46.888 C74_B4.1@158.45,46.888 ; C77_B4.2@157.65,50.75 C72_B4.2@157.65,52.225 ; C18_B4.2@158.3,62.125 158.343,62.168 159.908,62.168 C14_B4.2@159.95,62.21 ; U20_B4.9@158.45,45.35 C74_B4.1@158.45,46.888 ; C74_B4.1@158.505,46.875 158.493,46.888 C74_B4.1@158.45,46.888 ; v1(159.55,57.9) U3_B4.2@159.55,58.725 ; C12_B4.2@162.775,54.4 162.825,54.45 v1(163.7,54.45) ; C34_B4.2@164.775,48.125 C34_B4.2@164.805,48.155 ; C35_B4.2@165.215,49.4 C28_B4.2@166.26,49.4 C28_B4.2@166.23,49.37 ; C32_B4.2@165.375,50.51 165.508,50.642 C31_B4.2@166.468,50.642 ; v1@165.95,28.2 165.95,31.617 166.408,32.075 172.035,32.075 C20_B4.2@172.475,31.635 ; C27_B4.2@166.23,48.18 C28_B4.2@166.23,49.37 ; C31_B4.2@166.6,50.642 C31_B4.2@166.6,50.775 C31_B4.2@166.468,50.642 ; C4_B5.2@179.211,52.314 180.2,51.325 180.2,51.225 ; U19_B5.3@191.75,53.075 193.925,53.075 C72_B5.2@194.75,52.25 ; R58_B5.2@194.33,46.9 194.343,46.888 C74_B5.1@195.275,46.888 ; C77_B5.2@194.475,50.75 C72_B5.2@194.475,52.225 ; C18_B5.2@195.125,62.125 195.168,62.168 196.733,62.168 C14_B5.2@196.775,62.21 ; U20_B5.9@195.275,45.35 C74_B5.1@195.275,46.888 ; C74_B5.1@195.33,46.875 195.318,46.888 C74_B5.1@195.275,46.888 ; v1(196.375,57.9) U3_B5.2@196.375,58.725 ; C12_B5.2@199.6,54.4 199.65,54.45 v1(200.525,54.45) ; C34_B5.2@201.6,48.125 C34_B5.2@201.63,48.155 ; C35_B5.2@202.04,49.4 C28_B5.2@203.085,49.4 C28_B5.2@203.055,49.37 ; C32_B5.2@202.2,50.51 202.333,50.642 C31_B5.2@203.293,50.642 ; v1@202.775,28.2 202.775,31.617 203.233,32.075 208.86,32.075 C20_B5.2@209.3,31.635 ; C27_B5.2@203.055,48.18 C28_B5.2@203.055,49.37 ; C31_B5.2@203.425,50.642 C31_B5.2@203.425,50.775 C31_B5.2@203.293,50.642 ; C4_B6.2@216.036,52.314 217.025,51.325 217.025,51.225 ; v2(224.975,20.5) 225.3,20.825 U16.6@225.3,22.5 ; C64.2@225.515,17.15 v1(226.175,17.15) ; U16.1@226.975,19.525 227.077,19.525 227.1,19.502 v1(227.1,19) ; U19_B6.3@228.575,53.075 230.75,53.075 C72_B6.2@231.575,52.25 ; R58_B6.2@231.155,46.9 231.168,46.888 C74_B6.1@232.1,46.888 ; C77_B6.2@231.3,50.75 C72_B6.2@231.3,52.225 ; C18_B6.2@231.95,62.125 231.993,62.168 233.558,62.168 C14_B6.2@233.6,62.21 ; U20_B6.9@232.1,45.35 C74_B6.1@232.1,46.888 ; C74_B6.1@232.155,46.875 232.143,46.888 C74_B6.1@232.1,46.888 ; v1(233.2,57.9) U3_B6.2@233.2,58.725 ; C12_B6.2@236.425,54.4 236.475,54.45 v1(237.35,54.45) ; C34_B6.2@238.425,48.125 C34_B6.2@238.455,48.155 ; C35_B6.2@238.865,49.4 C28_B6.2@239.91,49.4 C28_B6.2@239.88,49.37 ; C32_B6.2@239.025,50.51 239.158,50.642 C31_B6.2@240.118,50.642 ; v1@239.6,28.2 239.6,31.617 240.058,32.075 245.685,32.075 C20_B6.2@246.125,31.635 ; C27_B6.2@239.88,48.18 C28_B6.2@239.88,49.37 ; C31_B6.2@240.25,50.642 C31_B6.2@240.25,50.775 C31_B6.2@240.118,50.642 ; C4_B7.2@252.861,52.314 253.85,51.325 253.85,51.225 ; U19_B7.3@265.4,53.075 267.575,53.075 C72_B7.2@268.4,52.25 ; R58_B7.2@267.98,46.9 267.993,46.888 C74_B7.1@268.925,46.888 ; C77_B7.2@268.125,50.75 C72_B7.2@268.125,52.225 ; C18_B7.2@268.775,62.125 268.818,62.168 270.383,62.168 C14_B7.2@270.425,62.21 ; U20_B7.9@268.925,45.35 C74_B7.1@268.925,46.888 ; C74_B7.1@268.98,46.875 268.968,46.888 C74_B7.1@268.925,46.888 ; v1(270.025,57.9) U3_B7.2@270.025,58.725 ; C12_B7.2@273.25,54.4 273.3,54.45 v1(274.175,54.45) ; C34_B7.2@275.25,48.125 C34_B7.2@275.28,48.155 ; C35_B7.2@275.69,49.4 C28_B7.2@276.735,49.4 C28_B7.2@276.705,49.37 ; C32_B7.2@275.85,50.51 275.983,50.642 C31_B7.2@276.943,50.642 ; v1@276.425,28.2 276.425,31.617 276.883,32.075 282.51,32.075 C20_B7.2@282.95,31.635 ; C27_B7.2@276.705,48.18 C28_B7.2@276.705,49.37 ; C31_B7.2@277.075,50.642 C31_B7.2@277.075,50.775 C31_B7.2@276.943,50.642 ; C4_B8.2@289.686,52.314 290.675,51.325 290.675,51.225 ; v2(298.625,20.5) 298.95,20.825 U18.6@298.95,22.5 ; C66.2@299.24,17.2 299.34,17.1 299.39,17.15 v1(299.95,17.15) ; U19_B8.3@302.225,53.075 304.4,53.075 C72_B8.2@305.225,52.25 ; R58_B8.2@304.805,46.9 304.818,46.888 C74_B8.1@305.75,46.888 ; C77_B8.2@304.95,50.75 C72_B8.2@304.95,52.225 ; C18_B8.2@305.6,62.125 305.643,62.168 307.208,62.168 C14_B8.2@307.25,62.21 ; U20_B8.9@305.75,45.35 C74_B8.1@305.75,46.888 ; C74_B8.1@305.805,46.875 305.793,46.888 C74_B8.1@305.75,46.888 ; v1(306.85,57.9) U3_B8.2@306.85,58.725 ; C12_B8.2@310.075,54.4 310.125,54.45 v1(311,54.45) ; C34_B8.2@312.075,48.125 C34_B8.2@312.105,48.155 ; C35_B8.2@312.515,49.4 C28_B8.2@313.56,49.4 C28_B8.2@313.53,49.37 ; C32_B8.2@312.675,50.51 312.808,50.642 C31_B8.2@313.768,50.642 ; v1@313.25,28.2 313.25,31.617 313.708,32.075 319.335,32.075 C20_B8.2@319.775,31.635 ; C27_B8.2@313.53,48.18 C28_B8.2@313.53,49.37 ; C31_B8.2@313.9,50.642 C31_B8.2@313.9,50.775 C31_B8.2@313.768,50.642 ; C28_B1.2@55.755,49.37 55.765,49.37 55.955,49.56 55.955,50.605 C31_B1.2@55.993,50.642 ; C28_B2.2@92.58,49.37 92.59,49.37 92.78,49.56 92.78,50.605 C31_B2.2@92.818,50.642 ; C28_B3.2@129.405,49.37 129.415,49.37 129.605,49.56 129.605,50.605 C31_B3.2@129.643,50.642 ; C28_B4.2@166.23,49.37 166.24,49.37 166.43,49.56 166.43,50.605 C31_B4.2@166.468,50.642 ; C28_B5.2@203.055,49.37 203.065,49.37 203.255,49.56 203.255,50.605 C31_B5.2@203.293,50.642 ; C28_B6.2@239.88,49.37 239.89,49.37 240.08,49.56 240.08,50.605 C31_B6.2@240.118,50.642 ; C28_B7.2@276.705,49.37 276.715,49.37 276.905,49.56 276.905,50.605 C31_B7.2@276.943,50.642 ; C28_B8.2@313.53,49.37 313.54,49.37 313.73,49.56 313.73,50.605 C31_B8.2@313.768,50.642
  Top Layer w0.5: R86.1@39.825,19.28 v1(39.825,20) 39.825,20.325 39.3,20.85 C76.2@39.3,20.875 39.387,20.787 40.787,20.787 C52.2@40.8,20.775 ; v1(40.5,19.7) 40.525,19.675 40.938,19.675 ; v1(41.675,22.5) 41.65,22.475 41.15,22.475 C49.2@40.8,22.825 ; v1(41.7,23.1) 41.075,23.1 C49.2@40.8,22.825 ; R64.1@42.22,19.425 42.22,19.385 42.185,19.35 41.375,19.35 41.025,19 C75.2@41,19 ; C55.2@42.235,18.425 42.215,18.425 41.84,18.8 41.2,18.8 C75.2@41,19 ; JP3.3@47.243,4.892 47.28,4.855 JP3.3@47.41,4.725 ; U10.2@51.95,18.72 U10.2@52,18.77 ; C52.2@40.8,20.775 C52.2@40.875,20.7 40.938,20.637 40.938,19.675 ; C52.2@40.8,20.775 C49.2@40.8,22.825 ; 40.938,19.675 40.938,19.062 C75.2@41,19